# Altium PCB ActuatorControl_Board_v30.PcbDoc (part 2 of 3)
Units mil, origin at the board's own origin, x right, y up, seen from the top; angles counter-clockwise.
Board outline 3947.73 x 3947.73 mil, 2 copper layers (Top Layer, Bottom Layer); 150 components, 98 nets, 452 pads, 1502 vias.
Unrouted connection lines stored in the file: 26.
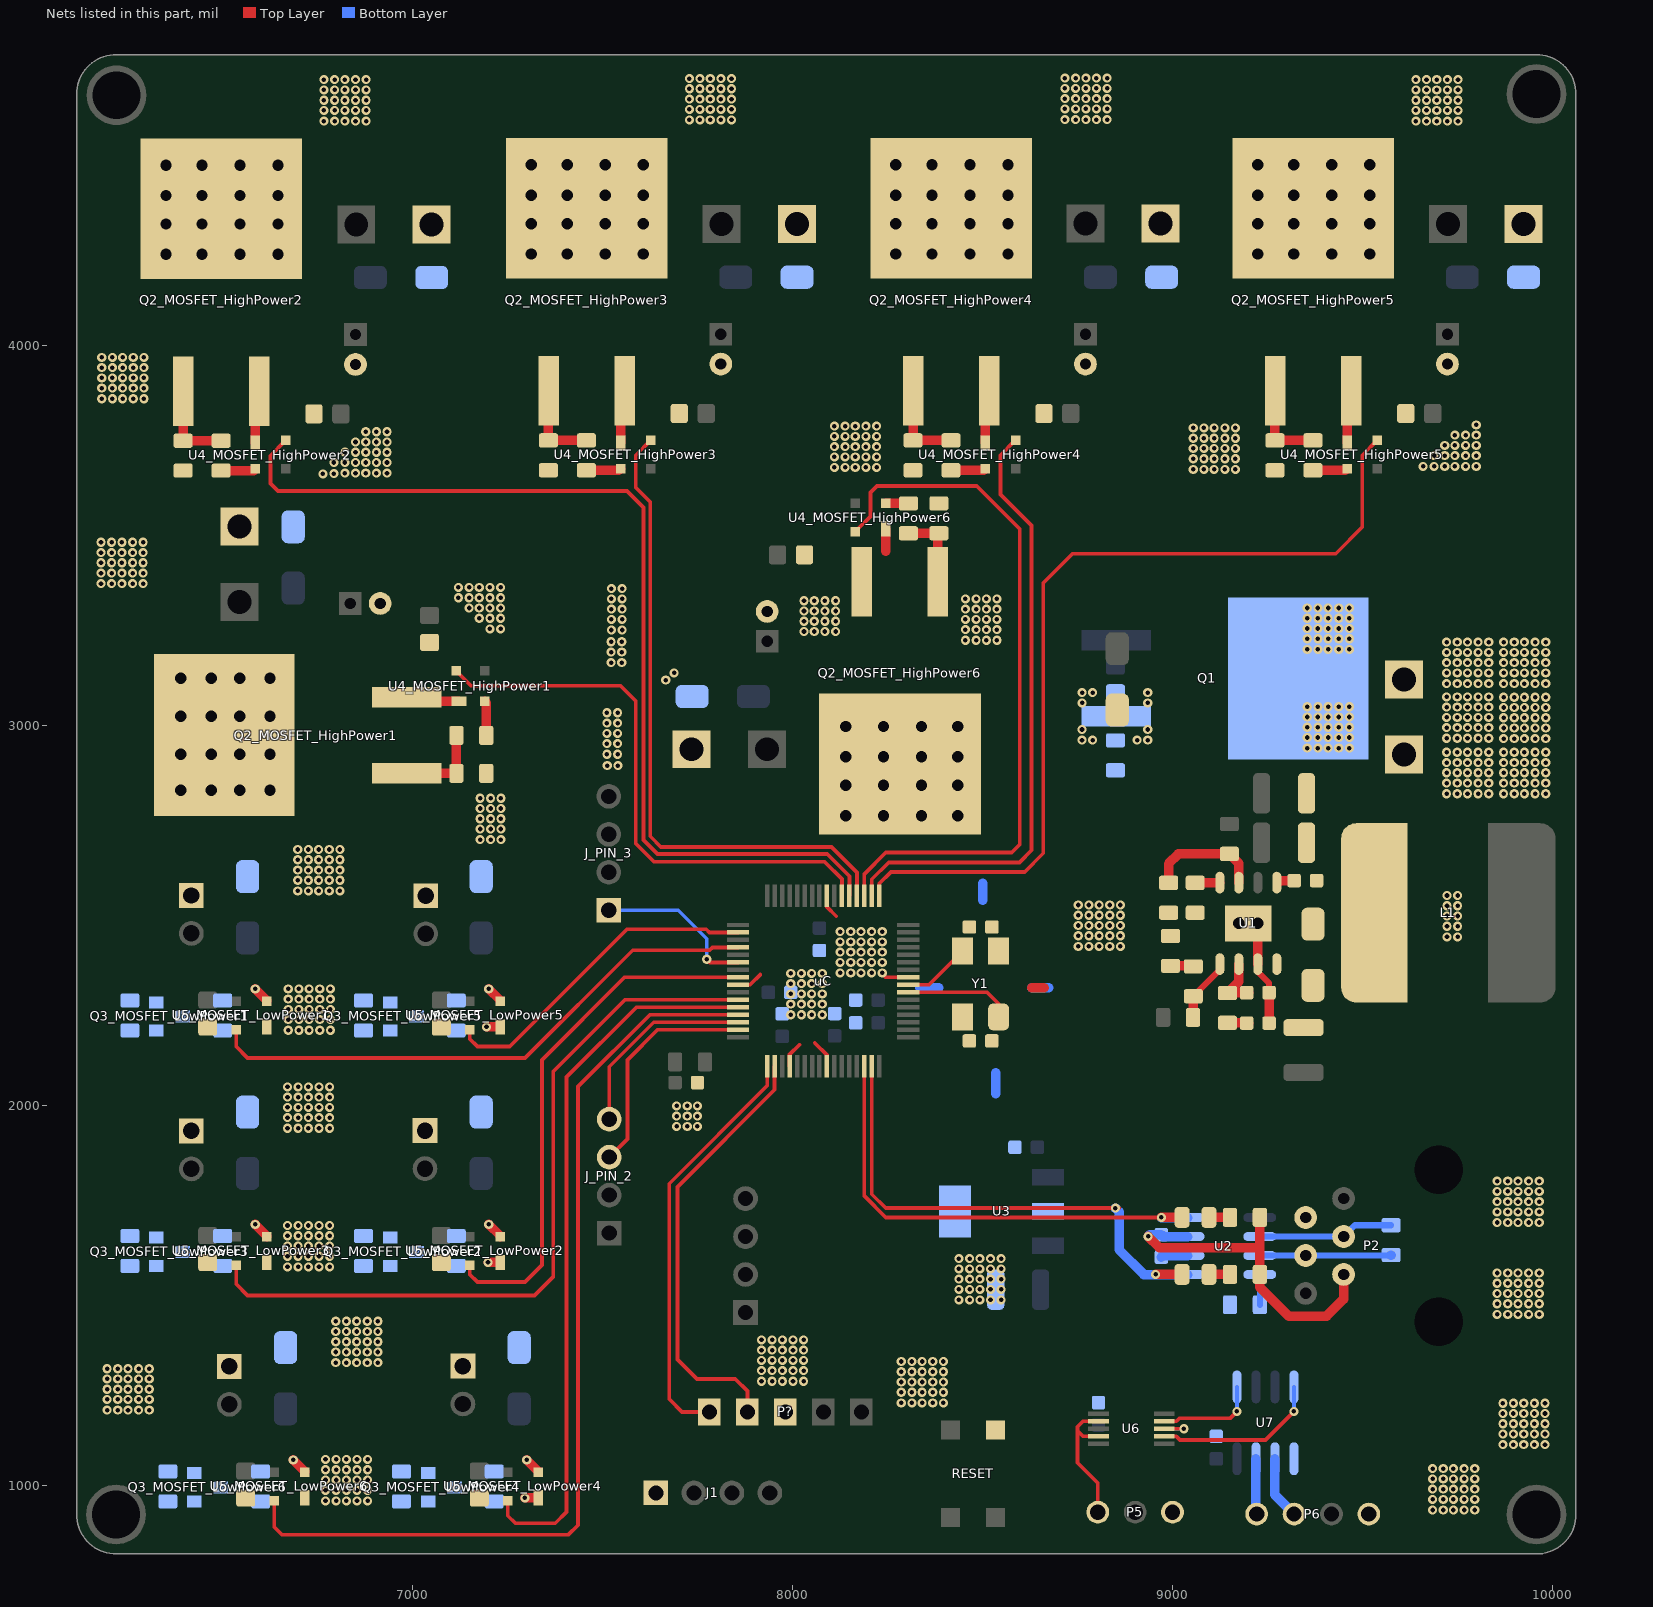
[diagram p2: the nets of this part, all layers, seen from the top]

## Part data
C1 C8 C9 C14 C15 C16 C19 C20 C21 C22 C23 C24: library part 06032105, "CAP CER 100n 10V X5R 10% 0603", Capacitance=100n
C2 C12_MOSFET_HighPower1 C12_MOSFET_HighPower2 C12_MOSFET_HighPower3 C12_MOSFET_HighPower4 C12_MOSFET_HighPower5 C12_MOSFET_HighPower6 C13_MOSFET_LowPower1 C13_MOSFET_LowPower2 C13_MOSFET_LowPower3 C13_MOSFET_LowPower4 C13_MOSFET_LowPower5 C13_MOSFET_LowPower6: library part 00002105, "CAP CER 100n 50V X7R 10% 0805", Capacitance=100nF
C3 C4: library part 00001225, "CAP CER 2.2u"
C5: library part 06032680, "CAP CER 68p 0603", Capacitance=68p
C6: library part 00002108, "CAP CER 100u X5R 6.3V 10% 1210", Capacitance=100uF
C7: library part 06032153, "CAP CER 15n 0603", Capacitance=15n
C10: library part 00001106, "CAP TANT 10u"
C11_MOSFET_HighPower1 C11_MOSFET_HighPower2 C11_MOSFET_HighPower3 C11_MOSFET_HighPower4 C11_MOSFET_HighPower5 C11_MOSFET_HighPower6: library part 00004704, "CAP ALU 4.7u 25V 20%", Capacitance=100uF
C17 C18: library part 00002200, "CAP CER 20p 0805", Capacitance=20pF
D1: "DIODE SCHOTTKY 60V 3A DO214AC", Current  Average Rectified=3A, Manufacturer="Vishay Semiconductor Diodes Division", Package Case="DO-214AC, SMA", Recommended Rating=Silver, Voltage  DC Reverse=60V, Voltage  Forward="550mV @ 3A", Assembly=SMD, Barcode=0100000007488, Category="Discrete Semiconductor Products", Datasheet URL=http://www.vishay.com/docs/88896/b330la.pdf, Diode Type=Schottky, Family=DIODE, id=62, item_id=1025, Manufacturer Part Number=B360B, Part Type="Discrete Semiconductors", Speed="Fast Recovery =< 500ns, > 200mA (Io)"
D3: library part ZENER, "DIODE ZENER", Current  Average Rectified=3A, Manufacturer="Vishay Semiconductor Diodes Division", Manufacturer Part Number=B360B, Package Case="DO-214AC, SMA", Recommended Rating=Silver, Voltage  DC Reverse=60V, Voltage  Forward="550mV @ 3A", Assembly=SMD, Barcode=0100000007488, Category="Discrete Semiconductor Products", Datasheet URL=http://www.vishay.com/docs/88896/b330la.pdf, Diode Type=Schottky, Family=DIODE, id=62, item_id=1025, Part Type="Discrete Semiconductors", Refferent Voltage=12V, Speed="Fast Recovery =< 500ns, > 200mA (Io)"
D4_MOSFET_HighPower1 D4_MOSFET_HighPower2 D4_MOSFET_HighPower3 D4_MOSFET_HighPower4 D4_MOSFET_HighPower5 D4_MOSFET_HighPower6 D5_MOSFET_LowPower1 D5_MOSFET_LowPower2 D5_MOSFET_LowPower3 D5_MOSFET_LowPower4 D5_MOSFET_LowPower5 D5_MOSFET_LowPower6: "DIODE SCHOTTKY 40V 3A DO214AC", Current  Average Rectified=3A, Manufacturer="Vishay Semiconductor Diodes Division", Package Case="DO-214AC, SMA", Recommended Rating=Silver, Voltage  DC Reverse=40V, Voltage  Forward="550mV @ 3A", Assembly=SMD, Barcode=0100000007488, Category="Discrete Semiconductor Products", Datasheet URL=http://www.vishay.com/docs/88896/b330la.pdf, Diode Type=Schottky, Family=DIODE, id=62, item_id=1025, Manufacturer Part Number=SK34, Part Type="Discrete Semiconductors", Speed="Fast Recovery =< 500ns, > 200mA (Io)"
J2_MOSFET_LowPower1 J2_MOSFET_LowPower2 J2_MOSFET_LowPower3 J2_MOSFET_LowPower4 J2_MOSFET_LowPower5 J2_MOSFET_LowPower6: library part "TE 282834-2", "Wire-To-Board Terminal Block, 2, 150 V, 10 A, 30 Awg, 16 Awg, 1.4 Mm", Package=None, Centerline_Pitch="2.54 mm[.1 in]", Digi-Key_Part_Number=A98333-ND, Digi-Key_Purchase_URL=https://www.digikey.rs/product-detail/en/te-connectivity-amp-connectors/282834-2/A98333-ND/1150135?utm_source=snapeda&utm_medium=aggregator&utm_campaign=symbol, EU_RoHS_Compliance="Compliant with Exemptions", MF="TE Connectivity", MP=282834-2, Number_of_Positions=2, SnapEDA_Link=https://www.snapeda.com/parts/282834-2/TE%20Connectivity%20AMP%20Connectors/view-part/431057/?ref=snap, TE_purchase_URL=https://www.te.com/usa-en/product-282834-2.html?te_bu=Cor&te_type=disp&te_campaign=seda_glo_cor-seda-global-disp-prtnr-fy19-seda-model-bom-cta_sma-317_1&elqCampaignId=32493
L1: library part Inductor_10uH, "FIXED IND 10uH 5.3A", Current Rating=5.3A, DC Resistance=62.7mOhm, Manufacturer=Coilcraft, Manufacturer Part Number=XAL7030-103MEB, Package Case=8x8mm, Tolerance=20%, Assembly=SMD, Barcode=2911010049126, Category="Inductors, Coils, Chokes", Datasheet URL=http://www.mouser.com/ds/2/597/xal7030-270749.pdf, Family=INDUCTOR, id=7, Inductance=10uH, item_id=5593, Part Type="Inductor, Transf, Filter, Ferrite"
P1: library part 00000002, "TERM BLOCK HDR 2POS 90DEG 5.08MM", Manufacturer Part Number=2EDGRC-5.08-02P-14-00A(H), Price=0.1304, Suplier=TME, Suplier Product Link=https://www.tme.eu/en/details/2edgrc5.08-2p14/pluggable-terminal-blocks/degson-electronics/2edgrc-508-02p-14-00ah/
P2: library part 00000001, Manufacturer Part Number=RJ-11
P3_MOSFET_HighPower1 P3_MOSFET_HighPower2 P3_MOSFET_HighPower3 P3_MOSFET_HighPower4 P3_MOSFET_HighPower5 P3_MOSFET_HighPower6: library part MOT_CONN, "CONNECTOR FOR MOTOR OUTPUT"
P5: library part AX12_CONECTOR, "KonServoiAX12", Manufacturer=Molex, Manufacturer Part Number 1=22035045, Order Code 1=1104204, Price 1=£0.104, Supplier 1=uk.farnell.com
P6: library part RX24_CONECTOR, "Molex Spox 5264", Manufacturer=Molex, Manufacturer Part Number 1=22035045, Order Code 1=1104204, Price 1=£0.104, Supplier 1=uk.farnell.com
P?: library part "TE CONNECTIVITY_5PIN_MALE", "BLUE_5PIN_CONECTOR", Manufacturer="TE CONNECTIVITY / AMP", Manufacturer Part Number 1=281695-3, Order Code 1=1205983, Price 1=£0.403, Supplier 1=uk.farnell.com
Q1: library part IRF9540N, "P-MOS", Manufacturer="INTERNATIONAL RECTIFIER", Package="TO-263 SMD", Manufacturer Part Number=IRF9540NSPBF, Order Code=IRF9540NS, Price="DIN 62.54", Supplier=Comet.rs
Q2_MOSFET_HighPower1 Q2_MOSFET_HighPower2 Q2_MOSFET_HighPower3 Q2_MOSFET_HighPower4 Q2_MOSFET_HighPower5 Q2_MOSFET_HighPower6: library part IRF540N, "N-MOS", Manufacturer="INTERNATIONAL RECTIFIER", Package="TO-263 SMD", Manufacturer Part Number=IRF540NSPBF, Order Code=IRF540NS, Price="DIN 62.54", Supplier=Comet.rs
Q3_MOSFET_LowPower1 Q3_MOSFET_LowPower2 Q3_MOSFET_LowPower3 Q3_MOSFET_LowPower4 Q3_MOSFET_LowPower5 Q3_MOSFET_LowPower6: library part IRLML0030, "N-MOS", Manufacturer=INFINEON, Package=SOT-23, Manufacturer Part Number=IRLML0030TRPBF, Order Code=IRLML0030, Price=0.11, Supplier=Comet.rs
R1: library part 00003303, "RES SMD 330 kOhm 1/8W 0805", Power="0.125W, 1/8W", Assembly=SMD, Barcode=00003303, Resistance=330k
R2: library part 00005102, "RES SMD 51 kOhm 1/8W 0805", Power="0.125W, 1/8W", Assembly=SMD, Barcode=00005102, Resistance=51k
R3: library part 00005602, "RES SMD 56 kOhm 1/8W 0805", Power="0.125W, 1/8W", Assembly=SMD, Barcode=00004701, Resistance=56k
R4: library part 00001603, "RES SMD 160 kOhm 1/8W 0805", Power="0.125W, 1/8W", Assembly=SMD, Barcode=00001603, Resistance=160k
R5: library part 00001502, "RES SMD 15 kOhm 1/8W 0805", Power="0.125W, 1/8W", Assembly=SMD, Barcode=00001502, Resistance=15k
R6: library part 00009101, "RES SMD 9.1 kOhm 1/8W 0805", Power="0.125W, 1/8W", Assembly=SMD, Barcode=00009101, Resistance=9.1k
R7: library part 00002701, "RES SMD 2.7 kOhm 1/8W 0805", Power="0.125W, 1/8W", Assembly=SMD, Barcode=00004701, Resistance=2.7k
R8: library part 00006200, "RES SMD 620 Ohm 1/8W 0805", Power="0.125W, 1/8W", Assembly=SMD, Barcode=00006200, Resistance=620R
R9 R10: library part 00001001, "RES SMD 1 kOhm 1/8W 0805", Power="0.125W, 1/8W", Assembly=SMD, Barcode=00009101, Resistance=1k
R11: library part 000001200, "RES SMD 120 Ohm 1/8W 0805", Resistance=120R
R12 R16: library part 000001002, "RES SMD 10 kOhm 1/8W 0805", Resistance=10k
R13_MOSFET_HighPower1 R13_MOSFET_HighPower2 R13_MOSFET_HighPower3 R13_MOSFET_HighPower4 R13_MOSFET_HighPower5 R13_MOSFET_HighPower6 R15_MOSFET_LowPower1 R15_MOSFET_LowPower2 R15_MOSFET_LowPower3 R15_MOSFET_LowPower4 R15_MOSFET_LowPower5 R15_MOSFET_LowPower6: library part 00001000, "RES SMD 100 Ohm 1/8W 0805", Power="0.125W, 1/8W", Assembly=SMD, Barcode=00001000, Resistance=100R
R14_MOSFET_HighPower1 R14_MOSFET_HighPower2 R14_MOSFET_HighPower3 R14_MOSFET_HighPower4 R14_MOSFET_HighPower5 R14_MOSFET_HighPower6 R17_MOSFET_LowPower1 R17_MOSFET_LowPower2 R17_MOSFET_LowPower3 R17_MOSFET_LowPower4 R17_MOSFET_LowPower5 R17_MOSFET_LowPower6: library part 00004701, "RES SMD 4.7 kOhm 1/8W 0805", Power="0.125W, 1/8W", Assembly=SMD, Barcode=00004701, Resistance=4.7k
RXCAN1 TXCAN1: library part "LED_GREEN 0805", "LED GREEN CLEAR 0805 SMD", Color=Green, Lens Color=Colorless, Manufacturer=Kingbright, Manufacturer Part Number=APT2012SGC, Package Case="0805 (2012 Metric)", Recommended Rating=Platinum, Voltage Forward=2.2V, Assembly=SMD, Barcode=2911010024338, Category=Optoelectronics, Datasheet URL=http://www.kingbrightusa.com/images/catalog/SPEC/APT2012SGC.pdf, Family=LED, id=28, item_id=3342, Lens Transparency=Clear, Part Type=Optoelectronics, Wavelength=568nm
U1: "IC REG BUCK ADJ 3.5A 8SOPWRPAD", Assembly=SMD, Manufacturer Part Number=TPS54340
U2: library part SN65HVD230, "IC EMC CAN TRANSCEIVER 8-SOIC", Package=SOIC-8, Assembly=SMD, Barcode=00000001, Category="Integrated Circuits (ICs)", Comet Product Page=http://store.comet.rs/Catalogue/Product/9057/, Datasheet Link=http://www.ti.com/lit/ds/symlink/sn65hvd232.pdf, Family=Comunication, Manufacturer Part Number=SN65HVD230DR
U3: library part 00000007, "IC REG LINEAR 5V 400MA SOT223-4", Datasheet Link=http://www.ti.com/lit/ds/symlink/lm2937.pdf, Manufacturer Part Number=LM2937-5
U4_MOSFET_HighPower1 U4_MOSFET_HighPower2 U4_MOSFET_HighPower3 U4_MOSFET_HighPower4 U4_MOSFET_HighPower5 U4_MOSFET_HighPower6 U5_MOSFET_LowPower1 U5_MOSFET_LowPower2 U5_MOSFET_LowPower3 U5_MOSFET_LowPower4 U5_MOSFET_LowPower5 U5_MOSFET_LowPower6: library part MIC4416, "IC DRIVER MOSF LOW SIDE SOT143-4", Package=SOT-143, Assembly=SMD, Category="Integrated Circuits (ICs)", Datasheet Link=http://ww1.microchip.com/downloads/en/DeviceDoc/mic4416.pdf, Family="MOSFET Driver", Manufacturer Part Number=MIC4416YM4-TR, Product Page Farnell=http://uk.farnell.com/microchip/mic4416ym4-tr/driver-mosfet-low-side-smd-4416/dp/2510112
U6: library part 00000008_1, "IC SWITCH DUAL SPDT 10MSOP", Manufacturer Part Number=TS5A23159
U7: library part 00000008, "IC TXRX RS485/RS422 8-SOIC", Manufacturer Part Number=MAX485
uC: library part PIC32MK1024MCF064, "IC MCU 32BIT 1MB FLASH 64TQFP", Manufacturer Part Number=PIC32MK1024MCF064
Y1: library part QUARTZ_8MHz, "CRYSTAL 8.0000MHZ 18PF SMD", Equivalent Series Resistance="72 Ohm", Frequency Stability=±30ppm, Load Capacitance=18pF, Manufacturer=ABRACON, Manufacturer Part Number=ABMM2-8.000MHZ-E2-T, Package Case="4-SMD, No Lead (DFN, LCC)", Assembly=SMD, Category="Crystals and Oscillators", Datasheet URL=http://www.abracon.com/Resonators/ABMM2.pdf, Family=CRYSTAL, Frequency=8Hz, Frequency Tolerance=±30ppm, id=17, item_id=4360, Part Type="Crystals, Oscillators", Size Dimension="0.126\" L x 0.098\" W (3.20mm x 2.50mm)"

## Free pads (board coordinates)
  round 157.48 hole 125.98: ""(6218.68,922.93) ""(6220,4660) ""(9958.83,922.93) ""(9958.83,4663.09)

## Via types
v1: diameter 24, hole 12, Top Layer to Bottom Layer, tented both sides, 1324 vias
v2: diameter 55, hole 30, Top Layer to Bottom Layer, tented both sides, 176 vias
v3: diameter 50, hole 30, Top Layer to Bottom Layer, 2 vias

## Nets (pads, with @x,y where several pads share a name; then routed paths per layer and width w, separated by ;. In a path a pad name is that pad's centre, name@x,y a point inside that pad or via, vN(x,y) a via of type N, cw(c..) or ccw(c..) an arc to the next point about the centre after c; other vN are vias at no path point)
CAN-3V3: C8.2 P2.2 R9.2 R10.2 U2.3 | length 935.6
  Top Layer w25: v1(8935.86,1655.37) 8965.86,1625.37 9230.23,1625.37 ; R9.2@9230.23,1705.37 9230.23,1625.37 ; P2.2@9450.86,1555.17 9450.86,1490.37 9405.86,1445.37 9305.86,1445.37 9230.23,1521 R10.2@9230.23,1555.37 9230.23,1625.37
  Bottom Layer w25: v1(8935.86,1655.37) 8940.39,1659.9 C8.2@8970.86,1659.9 8975.76,1655 U2.3@9041.02,1655
CAN_RX: RXCAN1.1 U2.4 uC.30 | length 1271.3
  Top Layer w10: uC.30@8188.86,2103.23 8188.86,1761.51 8245,1705.37 v1(8970.86,1705.37)
  Top Layer w25: v1(8970.86,1705.37) RXCAN1.1@9025.43,1705.37
  Bottom Layer w25: v1@8971.23,1705 U2.4@9041.02,1705
CAN_TX: TXCAN1.1 U2.1 uC.31 | length 1395
  Top Layer w10: uC.31@8208.54,2103.23 8208.54,1766.46 8245,1730 v1@8860,1730
  Top Layer w25: v1(8955.86,1555.37) TXCAN1.1@9025.43,1555.37
  Bottom Layer w25: v1(8850,1730) 8860,1720 8860,1620 8925,1555 U2.1@9041.02,1555
CONTROL_HP1: U4_MOSFET_HighPower1.4 uC.54 | length 1506.8
  Top Layer w10: U4_MOSFET_HighPower1.4@7114,3144.57 7153.29,3105.28 7546.72,3105.28 7587,3065 7587,2690 7635,2642 8084,2642 8129.8,2596.2 uC.54@8129.8,2552.05
CONTROL_HP2: U4_MOSFET_HighPower2.4 uC.53 | length 2647.2
  Top Layer w10: U4_MOSFET_HighPower2.4@6665,3751 6625,3711 6625,3638 6645,3618 7564,3618 7607,3575 7607,2699 7644,2662 8091,2662 8149.49,2603.51 uC.53@8149.49,2552.05
CONTROL_HP3: U4_MOSFET_HighPower3.4 uC.52 | length 1720.7
  Top Layer w10: U4_MOSFET_HighPower3.4@7627,3752 7587,3712 7587,3627 7625,3589 7625,2709 7653,2681 8102,2681 8169.17,2613.83 uC.52@8169.17,2552.05
CONTROL_HP4: U4_MOSFET_HighPower4.4 uC.50 | length 1626.2
  Top Layer w10: uC.50@8208.54,2552.05 8208.54,2595.54 8253,2640 8597,2640 8629,2672 8629,3527 8547,3609 8547,3712 U4_MOSFET_HighPower4.4@8587,3752
CONTROL_HP5: U4_MOSFET_HighPower5.4 uC.49 | length 2355.5
  Top Layer w10: uC.49@8228.23,2552.05 8228.23,2584.23 8259,2615 8611,2615 8660,2664 8660,3376 8737,3453 9430,3453 9500,3523 9500,3712 U4_MOSFET_HighPower5.4@9540,3752
CONTROL_HP6: U4_MOSFET_HighPower6.4 uC.51 | length 1896.3
  Top Layer w10: U4_MOSFET_HighPower6.4@8165,3511 8205,3551 8205,3614 8222,3631 8485,3631 8598,3518 8598,2687 8577,2666 8245,2666 8188.86,2609.86 uC.51@8188.86,2552.05
CONTROL_LP1: U5_MOSFET_LowPower1.4 uC.4 | length 1498.7
  Top Layer w10: U5_MOSFET_LowPower1.4@6535,2199.5 6535,2155 6565,2125 7295,2125 7579,2409 7781.47,2409 7788.69,2416.22 uC.4@7856.18,2416.22
CONTROL_LP2: U5_MOSFET_LowPower2.4 uC.8 | length 1387.7
  Top Layer w10: U5_MOSFET_LowPower2.4@7150,1579.5 7150,1555 7170,1535 7295,1535 7340,1580 7340,2120 7557.48,2337.48 uC.8@7856.18,2337.48
CONTROL_LP3: U5_MOSFET_LowPower3.4 uC.11 | length 2021.9
  Top Layer w10: U5_MOSFET_LowPower3.4@6535,1579.5 6535,1530 6565,1500 7320,1500 7370,1550 7370,2090 7558.43,2278.43 uC.11@7856.18,2278.43
CONTROL_LP4: U5_MOSFET_LowPower4.4 uC.12 | length 1887.5
  Top Layer w10: U5_MOSFET_LowPower4.4@7250,959.5 7250,920 7270,900 7375,900 7405,930 7405,1850 7405,2075 7588.74,2258.74 uC.12@7856.18,2258.74
CONTROL_LP5: U5_MOSFET_LowPower5.4 uC.2 | length 870.4
  Top Layer w10: U5_MOSFET_LowPower5.4@7150,2199.5 7150,2175 7170,2155 7255,2155 7564,2464 7772.62,2464 7781.03,2455.59 uC.2@7856.18,2455.59
CONTROL_LP6: U5_MOSFET_LowPower6.4 uC.13 | length 2542.6
  Top Layer w10: U5_MOSFET_LowPower6.4@6635,959.5 6635,890 6655,870 7410,870 7435,895 7435,1945 7435,2050 7624.06,2239.06 uC.13@7856.18,2239.06
GND: C3.1 C4.1 C5.1 C6.1 C7.1 C8.1 C9.1 C10.2 C11_MOSFET_HighPower1.2 C11_MOSFET_HighPower2.2 C11_MOSFET_HighPower3.2 C11_MOSFET_HighPower4.2 C11_MOSFET_HighPower5.2 C11_MOSFET_HighPower6.2 C12_MOSFET_HighPower1.1 C12_MOSFET_HighPower2.1 C12_MOSFET_HighPower3.1 C12_MOSFET_HighPower4.1 C12_MOSFET_HighPower5.1 C12_MOSFET_HighPower6.1 C13_MOSFET_LowPower1.1 C13_MOSFET_LowPower2.1 C13_MOSFET_LowPower3.1 C13_MOSFET_LowPower4.1 C13_MOSFET_LowPower5.1 C13_MOSFET_LowPower6.1 C14.1 C15.1 C16.1 C17.1 C18.1 C19.1 C20.1 C21.1 C22.1 C23.1 C24.1 D1.2 J1.1 P1.1 P2.5 P5.1 P6.1 P?.3 Q2_MOSFET_HighPower1.3 Q2_MOSFET_HighPower2.3 Q2_MOSFET_HighPower3.3 Q2_MOSFET_HighPower4.3 Q2_MOSFET_HighPower5.3 Q2_MOSFET_HighPower6.3 Q3_MOSFET_LowPower1.2 Q3_MOSFET_LowPower2.2 Q3_MOSFET_LowPower3.2 Q3_MOSFET_LowPower4.2 Q3_MOSFET_LowPower5.2 Q3_MOSFET_LowPower6.2 R3.1 R4.1 R7.1 R8.1 R12.1 R14_MOSFET_HighPower1.1 R14_MOSFET_HighPower2.1 R14_MOSFET_HighPower3.1 R14_MOSFET_HighPower4.1 R14_MOSFET_HighPower5.1 R14_MOSFET_HighPower6.1 R17_MOSFET_LowPower1.1 R17_MOSFET_LowPower2.1 R17_MOSFET_LowPower3.1 R17_MOSFET_LowPower4.1 R17_MOSFET_LowPower5.1 R17_MOSFET_LowPower6.1 RESET.1 U1.7 U1.9 U2.2 U3.2 U3.4 U4_MOSFET_HighPower1.1 U4_MOSFET_HighPower2.1 U4_MOSFET_HighPower3.1 U4_MOSFET_HighPower4.1 U4_MOSFET_HighPower5.1 U4_MOSFET_HighPower6.1 U5_MOSFET_LowPower1.1 U5_MOSFET_LowPower2.1 U5_MOSFET_LowPower3.1 U5_MOSFET_LowPower4.1 U5_MOSFET_LowPower5.1 U5_MOSFET_LowPower6.1 U6.3 U7.5 uC.9 uC.20 uC.25 uC.41 uC.56 Y1.2 Y1.4 | length 1844.6
  Top Layer w10: uC.9@7856.18,2317.8 7887.8,2317.8 7915,2345 ; uC.20@7992.01,2103.23 7992.01,2134.06 8017.95,2160 ; 8058.23,2165 8090.43,2132.8 uC.25@8090.43,2103.23 ; uC.56@8090.43,2552.05 8090.43,2522.95 8115,2498.38 ; 8244.52,2337.48 uC.41@8305,2337.48 ; U6.3@8978.6,1148.83 v1(9030.06,1148.83)
  Top Layer w16: U1.7@9225,2372.43 9225,2352 9254.53,2322.47 C5.1@9254.53,2297
  Top Layer w25: U4_MOSFET_HighPower2.1@6585,3743.5 6585,3870.43 Q2_MOSFET_HighPower2.3@6595.71,3881.14 ; Q2_MOSFET_HighPower1.3@6983.86,3075.28 6994.57,3064.57 U4_MOSFET_HighPower1.1@7121.5,3064.57 ; v1(7194,2207) U5_MOSFET_LowPower5.1@7230,2207 ; v1(7198,1587) U5_MOSFET_LowPower2.1@7230,1587 ; v1(7295,967) U5_MOSFET_LowPower4.1@7330,967 ; U4_MOSFET_HighPower3.1@7547,3744.5 7547,3871.43 Q2_MOSFET_HighPower3.3@7557.71,3882.14 ; 8245,3460 U4_MOSFET_HighPower6.1@8245,3518.5 ; U4_MOSFET_HighPower4.1@8507,3744.5 8507,3871.43 Q2_MOSFET_HighPower4.3@8517.71,3882.14 ; 8630,2310 8663,2310 ; U1.7@9225,2372.43 9225,2432 ; C7.1@9254.53,2217 C5.1@9254.53,2297 ; C5.1@9259.53,2297 C5.1@9259.53,2302.08 ; U4_MOSFET_HighPower5.1@9460,3744.5 9460,3871.43 Q2_MOSFET_HighPower5.3@9470.71,3882.14
  Bottom Layer w10: 8978.6,1148.83 v1(9030.06,1148.83)
  Bottom Layer w25: 8335,2310 8385,2310 ; 8500,2540 8500,2585 ; 8534.35,2030.65 8534.35,2086.2 ; 8630,2310 8675,2310 ; C8.1@8970.86,1600.84 8975.02,1605 U2.2@9041.02,1605
  other v1: 9685,935 9713,935 9740,935 9768,935 9796,935 6770,959 6798,959 6825,959 6853,959 6881,959 9685,963 9713,963 9740,963 9768,963 9796,963 6770,987 6798,987 6825,987 6853,987 6881,987 9685,990 9713,990 9740,990 9768,990 9796,990 6770,1014 6798,1014 6825,1014 6853,1014 6881,1014 9685,1017 9713,1017 9740,1017 9768,1017 9796,1017 6770,1041 6798,1041 6825,1041 6853,1041 6881,1041 9685,1044 9713,1044 9740,1044 9768,1044 9796,1044 6770,1068 6798,1068 6825,1068 6853,1068 6881,1068 9870,1107 9898,1107 9925,1107 9953,1107 9981,1107 9870,1135 9898,1135 9925,1135 9953,1135 9981,1135 9870,1162 9898,1162 9925,1162 9953,1162 9981,1162 9870,1189 9898,1189 9925,1189 9953,1189 9981,1189 6195,1198 6223,1198 6250,1198 6278,1198 6306,1198 9870,1216 9898,1216 9925,1216 9953,1216 9981,1216 8286,1217 8314,1217 8341,1217 8369,1217 8397,1217 6195,1226 6223,1226 6250,1226 6278,1226 6306,1226 8286,1245 8314,1245 8341,1245 8369,1245 8397,1245 6195,1253 6223,1253 6250,1253 6278,1253 6306,1253 8286,1272 8314,1272 8341,1272 8369,1272 8397,1272 7918,1274 7946,1274 7973,1274 8001,1274 8029,1274 6195,1280 6223,1280 6250,1280 6278,1280 6306,1280 8286,1299 8314,1299 8341,1299 8369,1299 8397,1299 7918,1302 7946,1302 7973,1302 8001,1302 8029,1302 6195,1307 6223,1307 6250,1307 6278,1307 6306,1307 6797,1323 6825,1323 6852,1323 6880,1323 6908,1323 8286,1326 8314,1326 8341,1326 8369,1326 8397,1326 7918,1329 7946,1329 7973,1329 8001,1329 8029,1329 6797,1351 6825,1351 6852,1351 6880,1351 6908,1351 7918,1356 7946,1356 7973,1356 8001,1356 8029,1356 6797,1378 6825,1378 6852,1378 6880,1378 6908,1378 7918,1383 7946,1383 7973,1383 8001,1383 8029,1383 6797,1405 6825,1405 6852,1405 6880,1405 6908,1405 6797,1432 6825,1432 6852,1432 6880,1432 6908,1432 9855,1450 9883,1450 9910,1450 9938,1450 9966,1450 9855,1478 9883,1478 9910,1478 9938,1478 9966,1478 8438,1488 8466,1488 8493,1488 8521,1488 8549,1488 9855,1505 9883,1505 9910,1505 9938,1505 9966,1505 8438,1516 8466,1516 8493,1516 8521,1516 8549,1516 9855,1532 9883,1532 9910,1532 9938,1532 9966,1532 8438,1543 8466,1543 8493,1543 8521,1543 8549,1543 9855,1559 9883,1559 9910,1559 9938,1559 9966,1559 8438,1570 8466,1570 8493,1570 8521,1570 8549,1570 6670,1575 6698,1575 6725,1575 6753,1575 6781,1575 8438,1597 8466,1597 8493,1597 8521,1597 8549,1597 6670,1603 6698,1603 6725,1603 6753,1603 6781,1603 6670,1630 6698,1630 6725,1630 6753,1630 6781,1630 6670,1657 6698,1657 6725,1657 6753,1657 6781,1657 6670,1684 6698,1684 6725,1684 6753,1684 6781,1684 9855,1692 9883,1692 9910,1692 9938,1692 9966,1692 9855,1720 9883,1720 9910,1720 9938,1720 9966,1720 9855,1747 9883,1747 9910,1747 9938,1747 9966,1747 9855,1774 9883,1774 9910,1774 9938,1774 9966,1774 9855,1801 9883,1801 9910,1801 9938,1801 9966,1801 6670,1940 6698,1940 6725,1940 6753,1940 6781,1940 7694.44,1944.92 7722.44,1944.92 7749.44,1944.92 6670,1968 6698,1968 6725,1968 6753,1968 6781,1968 7694.44,1971.92 7722.44,1971.92 7749.44,1971.92 6670,1995 6698,1995 6725,1995 6753,1995 6781,1995 7694.44,1998.92 7722.44,1998.92 7749.44,1998.92 6670,2022 6698,2022 6725,2022 6753,2022 6781,2022 6670,2049 6698,2049 6725,2049 6753,2049 6781,2049 6672,2198 6700,2198 6727,2198 6755,2198 6783,2198 6672,2226 6700,2226 6727,2226 6755,2226 6783,2226 7995,2239 8023,2239 8050,2239 8078,2239 6672,2253 6700,2253 6727,2253 6755,2253 6783,2253 7995,2267 8023,2267 8050,2267 8078,2267 6672,2280 6700,2280 6727,2280 6755,2280 6783,2280 7995,2294 8023,2294 8050,2294 8078,2294 6672,2307 6700,2307 6727,2307 6755,2307 6783,2307 7995,2321 8023,2321 8050,2321 8078,2321 7995,2348 8023,2348 8050,2348 8078,2348 8125,2349 8153,2349 8180,2349 8208,2349 8236,2349 8125,2377 8153,2377 8180,2377 8208,2377 8236,2377 8125,2404 8153,2404 8180,2404 8208,2404 8236,2404 8752,2419 8780,2419 8807,2419 8835,2419 8863,2419 8125,2431 8153,2431 8180,2431 8208,2431 8236,2431 9723,2444 9751,2444 8752,2447 8780,2447 8807,2447 8835,2447 8863,2447 8125,2458 8153,2458 8180,2458 8208,2458 8236,2458 9723,2472 9751,2472 8752,2474 8780,2474 8807,2474 8835,2474 8863,2474 9723,2499 9751,2499 8752,2501 8780,2501 8807,2501 8835,2501 8863,2501 9723,2526 9751,2526 8752,2528 8780,2528 8807,2528 8835,2528 8863,2528 9723,2553 9751,2553 6697,2565 6725,2565 6752,2565 6780,2565 6808,2565 6697,2593 6725,2593 6752,2593 6780,2593 6808,2593 6697,2620 6725,2620 6752,2620 6780,2620 6808,2620 6697,2647 6725,2647 6752,2647 6780,2647 6808,2647 6697,2674 6725,2674 6752,2674 6780,2674 6808,2674 7177,2700 7205,2700 7232,2700 7177,2728 7205,2728 7232,2728 7177,2755 7205,2755 7232,2755 7177,2782 7205,2782 7232,2782 7177,2809 7205,2809 7232,2809 9722,2821 9750,2821 9777,2821 9805,2821 9833,2821 9872,2821 9900,2821 9927,2821 9955,2821 9983,2821 9722,2849 9750,2849 9777,2849 9805,2849 9833,2849 9872,2849 9900,2849 9927,2849 9955,2849 9983,2849 9722,2876 9750,2876 9777,2876 9805,2876 9833,2876 9872,2876 9900,2876 9927,2876 9955,2876 9983,2876 7512,2895 7540,2895 9722,2903 9750,2903 9777,2903 9805,2903 9833,2903 9872,2903 9900,2903 9927,2903 9955,2903 9983,2903 7511,2925 7539,2925 9722,2930 9750,2930 9777,2930 9805,2930 9833,2930 9872,2930 9900,2930 9927,2930 9955,2930 9983,2930 7511,2953 7539,2953 9872,2966 9900,2966 9927,2966 9955,2966 9983,2966 9722,2967 9750,2967 9777,2967 9805,2967 9833,2967 7511,2980 7539,2980 9872,2994 9900,2994 9927,2994 9955,2994 9983,2994 9722,2995 9750,2995 9777,2995 9805,2995 9833,2995 7511,3007 7539,3007 9872,3021 9900,3021 9927,3021 9955,3021 9983,3021 9722,3022 9750,3022 9777,3022 9805,3022 9833,3022 7511,3034 7539,3034 9872,3048 9900,3048 9927,3048 9955,3048 9983,3048 9722,3049 9750,3049 9777,3049 9805,3049 9833,3049 9872,3075 9900,3075 9927,3075 9955,3075 9983,3075 9722,3076 9750,3076 9777,3076 9805,3076 9833,3076 9722,3111 9750,3111 9777,3111 9805,3111 9833,3111 9872,3111 9900,3111 9927,3111 9955,3111 9983,3111 7666,3120 7688,3139 9722,3139 9750,3139 9777,3139 9805,3139 9833,3139 9872,3139 9900,3139 9927,3139 9955,3139 9983,3139 7522,3166 7550,3166 9722,3166 9750,3166 9777,3166 9805,3166 9833,3166 9872,3166 9900,3166 9927,3166 9955,3166 9983,3166 9722,3193 9750,3193 9777,3193 9805,3193 9833,3193 9872,3193 9900,3193 9927,3193 9955,3193 9983,3193 7522,3194 7550,3194 9722,3220 9750,3220 9777,3220 9805,3220 9833,3220 9872,3220 9900,3220 9927,3220 9955,3220 9983,3220 7522,3221 7550,3221 8455,3225 8483,3225 8510,3225 8538,3225 8030,3248 8057,3248 8085,3248 8113,3248 7523,3252 7551,3252 8455,3253 8483,3253 8510,3253 8538,3253 7203,3255 7231,3255 8030,3275 8057,3275 8085,3275 8113,3275 7523,3280 7551,3280 8455,3280 8483,3280 8510,3280 8538,3280 7175,3283 7203,3283 7231,3283 8030,3302 8057,3302 8085,3302 8113,3302 7523,3307 7551,3307 8455,3307 8483,3307 8510,3307 8538,3307 7148,3310 7175,3310 7203,3310 7231,3310 8030,3329 8057,3329 8085,3329 8113,3329 7523,3334 7551,3334 8455,3334 8483,3334 8510,3334 8538,3334 7120,3337 7148,3337 7175,3337 7203,3337 7231,3337 7523,3361 7551,3361 7120,3364 7148,3364 7175,3364 7203,3364 7231,3364 6179,3374 6207,3374 6234,3374 6262,3374 6290,3374 6179,3402 6207,3402 6234,3402 6262,3402 6290,3402 6179,3429 6207,3429 6234,3429 6262,3429 6290,3429 6179,3456 6207,3456 6234,3456 6262,3456 6290,3456 6179,3483 6207,3483 6234,3483 6262,3483 6290,3483 6763,3663 6792,3664 6821,3665 6849,3665 6876,3665 6904,3665 6932,3665 9055,3675 9083,3675 9110,3675 9138,3675 9166,3675 8110,3680 8138,3680 8165,3680 8193,3680 8221,3680 9660,3683 9689,3683 9717,3683 9744,3683 9772,3683 9800,3683 6792,3693 6821,3693 6849,3693 6876,3693 6904,3693 6932,3693 9055,3703 9083,3703 9110,3703 9138,3703 9166,3703 8110,3708 8138,3708 8165,3708 8193,3708 8221,3708 9689,3711 9717,3711 9744,3711 9772,3711 9800,3711 6821,3720 6849,3720 6876,3720 6904,3720 6932,3720 9055,3730 9083,3730 9110,3730 9138,3730 9166,3730 8110,3735 8138,3735 8165,3735 8193,3735 8221,3735 9717,3738 9744,3738 9772,3738 9800,3738 6849,3747 6876,3747 6904,3747 6932,3747 9055,3757 9083,3757 9110,3757 9138,3757 9166,3757 8110,3762 8138,3762 8165,3762 8193,3762 8221,3762 9744,3765 9772,3765 9800,3765 6876,3774 6904,3774 6932,3774 9055,3784 9083,3784 9110,3784 9138,3784 9166,3784 8110,3789 8138,3789 8165,3789 8193,3789 8221,3789 9800,3792 6181,3861 6209,3861 6236,3861 6264,3861 6292,3861 6181,3889 6209,3889 6236,3889 6264,3889 6292,3889 6181,3916 6209,3916 6236,3916 6264,3916 6292,3916 6181,3943 6209,3943 6236,3943 6264,3943 6292,3943 6181,3970 6209,3970 6236,3970 6264,3970 6292,3970 6766,4592 6794,4592 6821,4592 6849,4592 6877,4592 9641,4592 9669,4592 9696,4592 9724,4592 9752,4592 7728,4595 7756,4595 7783,4595 7811,4595 7839,4595 8717,4596 8745,4596 8772,4596 8800,4596 8828,4596 6766,4620 6794,4620 6821,4620 6849,4620 6877,4620 9641,4620 9669,4620 9696,4620 9724,4620 9752,4620 7728,4623 7756,4623 7783,4623 7811,4623 7839,4623 8717,4624 8745,4624 8772,4624 8800,4624 8828,4624 6766,4647 6794,4647 6821,4647 6849,4647 6877,4647 9641,4647 9669,4647 9696,4647 9724,4647 9752,4647 7728,4650 7756,4650 7783,4650 7811,4650 7839,4650 8717,4651 8745,4651 8772,4651 8800,4651 8828,4651 6766,4674 6794,4674 6821,4674 6849,4674 6877,4674 9641,4674 9669,4674 9696,4674 9724,4674 9752,4674 7728,4677 7756,4677 7783,4677 7811,4677 7839,4677 8717,4678 8745,4678 8772,4678 8800,4678 8828,4678 6766,4701 6794,4701 6821,4701 6849,4701 6877,4701 9641,4701 9669,4701 9696,4701 9724,4701 9752,4701 7728,4704 7756,4704 7783,4704 7811,4704 7839,4704 8717,4705 8745,4705 8772,4705 8800,4705 8828,4705
  other v3: 9175,2479.72 9225,2479.72
NetC1_1: C1.1 U1.1 | length 45
  Top Layer w25: U1.1@9277.5,2587 9282.5,2592 C1.1@9320.47,2592
NetC1_2: C1.2 D1.1 L1.1 U1.8
NetC2_1: C2.1 D3.2 Q1.1 R7.2
  other v1: 8762,2962 8790,2962 8907,2962 8935,2962 8762,2990 8935,2990 8762.04,3060 8935,3060 8762.04,3087 8790.04,3087 8935,3087
NetC5_2: C5.2 R5.2 U1.6 | length 144.2
  Top Layer w25: U1.6@9175,2372.43 9175,2326.37 R5.2@9145,2296.37 9199.84,2296.37 C5.2@9200.47,2297
NetC7_2: C7.2 R5.1 | length 55.7
  Top Layer w25: R5.1@9145,2217.63 9199.84,2217.63 C7.2@9200.47,2217
NetD4_MOSFET_HighPower1_2: D4_MOSFET_HighPower1.2 P3_MOSFET_HighPower1.2 Q2_MOSFET_HighPower1.2
  other v2: 6389,2829.57 6389,2829.57 6469,2829.57 6469,2829.57 6544,2829.57 6544,2829.57 6624,2829.57 6624,2829.57 6389,2924.57 6389,2924.57 6469,2924.57 6544,2924.57 6544,2924.57 6624,2924.57 6624,2924.57 6389,3024.57 6389,3024.57 6469,3024.57 6469,3024.57 6544,3024.57 6624,3024.57 6624,3024.57 6389,3124.57 6389,3124.57 6469,3124.57 6469,3124.57 6544,3124.57 6624,3124.57 6624,3124.57
NetD4_MOSFET_HighPower2_2: D4_MOSFET_HighPower2.2 P3_MOSFET_HighPower2.2 Q2_MOSFET_HighPower2.2
  other v2: 6350,4241 6350,4241 6445,4241 6445,4241 6545,4241 6545,4241 6645,4241 6645,4241 6350,4321 6350,4321 6445,4321 6445,4321 6545,4321 6645,4321 6350,4396 6350,4396 6445,4396 6545,4396 6545,4396 6645,4396 6645,4396 6350,4476 6350,4476 6445,4476 6445,4476 6545,4476 6545,4476 6645,4476 6645,4476
NetD4_MOSFET_HighPower3_2: D4_MOSFET_HighPower3.2 P3_MOSFET_HighPower3.2 Q2_MOSFET_HighPower3.2
  other v2: 7312,4242 7312,4242 7407,4242 7407,4242 7507,4242 7507,4242 7607,4242 7607,4242 7312,4322 7312,4322 7407,4322 7407,4322 7507,4322 7607,4322 7312,4397 7312,4397 7407,4397 7507,4397 7507,4397 7607,4397 7607,4397 7312,4477 7312,4477 7407,4477 7407,4477 7507,4477 7507,4477 7607,4477 7607,4477
NetD4_MOSFET_HighPower4_2: D4_MOSFET_HighPower4.2 P3_MOSFET_HighPower4.2 Q2_MOSFET_HighPower4.2
  other v2: 8272,4242 8272,4242 8367,4242 8367,4242 8467,4242 8467,4242 8567,4242 8567,4242 8272,4322 8272,4322 8367,4322 8367,4322 8467,4322 8567,4322 8272,4397 8272,4397 8367,4397 8467,4397 8467,4397 8567,4397 8567,4397 8272,4477 8272,4477 8367,4477 8367,4477 8467,4477 8467,4477 8567,4477 8567,4477
NetD4_MOSFET_HighPower5_2: D4_MOSFET_HighPower5.2 P3_MOSFET_HighPower5.2 Q2_MOSFET_HighPower5.2
  other v2: 9225,4242 9225,4242 9320,4242 9320,4242 9420,4242 9420,4242 9520,4242 9520,4242 9225,4322 9225,4322 9320,4322 9320,4322 9420,4322 9520,4322 9225,4397 9225,4397 9320,4397 9420,4397 9420,4397 9520,4397 9520,4397 9225,4477 9225,4477 9320,4477 9320,4477 9420,4477 9420,4477 9520,4477 9520,4477
NetD4_MOSFET_HighPower6_2: D4_MOSFET_HighPower6.2 P3_MOSFET_HighPower6.2 Q2_MOSFET_HighPower6.2
  other v2: 8139.43,2763 8139.43,2763 8239.43,2763 8239.43,2763 8339.43,2763 8339.43,2763 8434.43,2763 8434.43,2763 8139.43,2843 8139.43,2843 8239.43,2843 8239.43,2843 8339.43,2843 8434.43,2843 8434.43,2843 8139.43,2918 8239.43,2918 8339.43,2918 8339.43,2918 8434.43,2918 8434.43,2918 8139.43,2998 8139.43,2998 8239.43,2998 8239.43,2998 8339.43,2998 8339.43,2998 8434.43,2998 8434.43,2998
NetD5_MOSFET_LowPower1_2: D5_MOSFET_LowPower1.2 J2_MOSFET_LowPower1.1 Q3_MOSFET_LowPower1.3
NetD5_MOSFET_LowPower2_2: D5_MOSFET_LowPower2.2 J2_MOSFET_LowPower2.1 Q3_MOSFET_LowPower2.3
NetD5_MOSFET_LowPower3_2: D5_MOSFET_LowPower3.2 J2_MOSFET_LowPower3.1 Q3_MOSFET_LowPower3.3
NetD5_MOSFET_LowPower4_2: D5_MOSFET_LowPower4.2 J2_MOSFET_LowPower4.1 Q3_MOSFET_LowPower4.3
NetD5_MOSFET_LowPower5_2: D5_MOSFET_LowPower5.2 J2_MOSFET_LowPower5.1 Q3_MOSFET_LowPower5.3
NetD5_MOSFET_LowPower6_2: D5_MOSFET_LowPower6.2 J2_MOSFET_LowPower6.1 Q3_MOSFET_LowPower6.3
NetP1_2: P1.2 Q1.2
  other v1: 9355,2941 9383,2941 9410,2941 9438,2941 9466,2941 9355,2969 9383,2969 9410,2969 9438,2969 9466,2969 9355,2996 9383,2996 9410,2996 9438,2996 9466,2996 9355,3023 9383,3023 9410,3023 9438,3023 9466,3023 9355,3050 9383,3050 9410,3050 9438,3050 9466,3050 9355,3201 9383,3201 9410,3201 9438,3201 9466,3201 9355,3229 9383,3229 9410,3229 9438,3229 9466,3229 9355,3256 9383,3256 9410,3256 9438,3256 9466,3256 9355,3283 9383,3283 9410,3283 9438,3283 9466,3283 9355,3310 9383,3310 9410,3310 9438,3310 9466,3310
NetP2_3: P2.3 R11.1 U2.7 | length 346.3
  Bottom Layer w16: U2.7@9230,1605 P2.3@9350.69,1605 ; P2.3@9350.86,1605.17 R11.1@9575.03,1605.17
  Bottom Layer w25: P2.3@9350.69,1605 P2.3@9350.86,1605.17 ; R11.1@9575.03,1605.17 R11.1@9575.86,1606
NetP2_4: P2.4 R11.2 U2.6 | length 358.2
  Bottom Layer w16: U2.6@9230,1655 P2.4@9450.69,1655 ; P2.4@9450.86,1655.17 9480.43,1684.74 R11.2@9575.86,1684.74
  Bottom Layer w25: P2.4@9450.69,1655 P2.4@9450.86,1655.17
NetP5_3: P5.3 U6.7 U6.9 | length 368.9
  Top Layer w10: P5.3@8803.52,929.14 8803.52,1005.99 8750.37,1059.14 8750.37,1143.37 ; U6.9@8805.37,1129.14 8764.6,1129.14 8750.37,1143.37 ; U6.7@8805.37,1168.51 8764.6,1168.51 8750.37,1154.28 8750.37,1143.37
NetP6_3: P6.3 U7.6 | length 166.7
  Bottom Layer w25: U7.6@9270,1070 9270,974.51 P6.3@9320.37,924.14
NetP6_4: P6.4 U7.7 | length 146.7
  Bottom Layer w25: U7.7@9220,1070 9220,926.09 P6.4@9221.94,924.14
NetQ2_MOSFET_HighPower1_1: Q2_MOSFET_HighPower1.1 R13_MOSFET_HighPower1.2 R14_MOSFET_HighPower1.2 | length 230.8
  Top Layer w25: Q2_MOSFET_HighPower1.1@6983.86,2874.57 R14_MOSFET_HighPower1.2@7114.63,2874.57 R13_MOSFET_HighPower1.2@7114.63,2974.57
NetQ2_MOSFET_HighPower2_1: Q2_MOSFET_HighPower2.1 R13_MOSFET_HighPower2.2 R14_MOSFET_HighPower2.2 | length 230.8
  Top Layer w25: Q2_MOSFET_HighPower2.1@6395,3881.14 R14_MOSFET_HighPower2.2@6395,3750.37 R13_MOSFET_HighPower2.2@6495,3750.37
NetQ2_MOSFET_HighPower3_1: Q2_MOSFET_HighPower3.1 R13_MOSFET_HighPower3.2 R14_MOSFET_HighPower3.2 | length 230.8
  Top Layer w25: Q2_MOSFET_HighPower3.1@7357,3882.14 R14_MOSFET_HighPower3.2@7357,3751.37 R13_MOSFET_HighPower3.2@7457,3751.37
NetQ2_MOSFET_HighPower4_1: Q2_MOSFET_HighPower4.1 R13_MOSFET_HighPower4.2 R14_MOSFET_HighPower4.2 | length 230.8
  Top Layer w25: Q2_MOSFET_HighPower4.1@8317,3882.14 R14_MOSFET_HighPower4.2@8317,3751.37 R13_MOSFET_HighPower4.2@8417,3751.37
NetQ2_MOSFET_HighPower5_1: Q2_MOSFET_HighPower5.1 R13_MOSFET_HighPower5.2 R14_MOSFET_HighPower5.2 | length 230.8
  Top Layer w25: Q2_MOSFET_HighPower5.1@9270,3882.14 R14_MOSFET_HighPower5.2@9270,3751.37 R13_MOSFET_HighPower5.2@9370,3751.37
NetQ2_MOSFET_HighPower6_1: Q2_MOSFET_HighPower6.1 R13_MOSFET_HighPower6.2 R14_MOSFET_HighPower6.2 | length 208.6
  Top Layer w25: R13_MOSFET_HighPower6.2@8305,3506.63 R14_MOSFET_HighPower6.2@8385,3506.63 8382.5,3504.13 Q2_MOSFET_HighPower6.1@8382.5,3379.06
NetQ3_MOSFET_LowPower1_1: Q3_MOSFET_LowPower1.1 R15_MOSFET_LowPower1.2 R17_MOSFET_LowPower1.2
NetQ3_MOSFET_LowPower2_1: Q3_MOSFET_LowPower2.1 R15_MOSFET_LowPower2.2 R17_MOSFET_LowPower2.2
NetQ3_MOSFET_LowPower3_1: Q3_MOSFET_LowPower3.1 R15_MOSFET_LowPower3.2 R17_MOSFET_LowPower3.2
NetQ3_MOSFET_LowPower4_1: Q3_MOSFET_LowPower4.1 R15_MOSFET_LowPower4.2 R17_MOSFET_LowPower4.2
NetQ3_MOSFET_LowPower5_1: Q3_MOSFET_LowPower5.1 R15_MOSFET_LowPower5.2 R17_MOSFET_LowPower5.2
NetQ3_MOSFET_LowPower6_1: Q3_MOSFET_LowPower6.1 R15_MOSFET_LowPower6.2 R17_MOSFET_LowPower6.2
NetR1_1: R1.1 R3.2 U1.3 | length 307.2
  Top Layer w25: R3.2@8990,2586.37 8990,2637 9015.63,2662.63 R1.1@9150,2662.63 9175,2637.63 U1.3@9175,2587
NetR2_1: R2.1 R6.2 U1.5 | length 170.6
  Top Layer w16: R6.2@9055,2287.63 9125,2357.63 U1.5@9125,2372.43
  Top Layer w25: R2.1@9054.37,2227 R2.1@9055,2227.63 ; R2.1@9054.37,2232 9054.37,2287 R6.2@9055,2287.63
NetR4_2: R4.2 U1.4 | length 65.3
  Top Layer w25: R4.2@9060,2586.37 9060.63,2587 U1.4@9125,2587
NetR6_1: R6.1 R8.2 | length 62.3
  Top Layer w25: R8.2@8990,2367.63 R8.2@8991.26,2366.37 ; R8.2@8995,2367.63 9053.74,2367.63 R6.1@9055,2366.37
NetR9_1: R9.1 RXCAN1.2 | length 55.2
  Top Layer w25: RXCAN1.2@9096.29,1705.37 R9.1@9151.49,1705.37
NetR10_1: R10.1 TXCAN1.2 | length 55.2
  Top Layer w25: TXCAN1.2@9096.29,1555.37 R10.1@9151.49,1555.37
NetR12_2: R12.2 U2.8 | length 79.7
  Bottom Layer w16: R12.2@9230.23,1475.37 U2.8@9230.23,1554.77
  Bottom Layer w25: U2.8@9230,1555 U2.8@9230.23,1554.77
NetR13_MOSFET_HighPower1_1: R13_MOSFET_HighPower1.1 U4_MOSFET_HighPower1.2 | length 91.8
  Top Layer w25: U4_MOSFET_HighPower1.2@7189,3064.57 7193.37,3060.2 R13_MOSFET_HighPower1.1@7193.37,2974.57
NetR13_MOSFET_HighPower2_1: R13_MOSFET_HighPower2.1 U4_MOSFET_HighPower2.2 | length 91.8
  Top Layer w25: R13_MOSFET_HighPower2.1@6495,3671.63 6580.63,3671.63 U4_MOSFET_HighPower2.2@6585,3676
NetR13_MOSFET_HighPower3_1: R13_MOSFET_HighPower3.1 U4_MOSFET_HighPower3.2 | length 91.8
  Top Layer w25: R13_MOSFET_HighPower3.1@7457,3672.63 7542.63,3672.63 U4_MOSFET_HighPower3.2@7547,3677
NetR13_MOSFET_HighPower4_1: R13_MOSFET_HighPower4.1 U4_MOSFET_HighPower4.2 | length 91.8
  Top Layer w25: R13_MOSFET_HighPower4.1@8417,3672.63 8502.63,3672.63 U4_MOSFET_HighPower4.2@8507,3677
NetR13_MOSFET_HighPower5_1: R13_MOSFET_HighPower5.1 U4_MOSFET_HighPower5.2 | length 91.8
  Top Layer w25: R13_MOSFET_HighPower5.1@9370,3672.63 9455.63,3672.63 U4_MOSFET_HighPower5.2@9460,3677
NetR13_MOSFET_HighPower6_1: R13_MOSFET_HighPower6.1 U4_MOSFET_HighPower6.2 | length 60.3
  Top Layer w25: U4_MOSFET_HighPower6.2@8245,3586 8304.37,3586 R13_MOSFET_HighPower6.1@8305,3585.37
NetR15_MOSFET_LowPower1_1: R15_MOSFET_LowPower1.1 U5_MOSFET_LowPower1.2 | length 44.9
  Top Layer w25: v1(6585,2307) 6615,2277 U5_MOSFET_LowPower1.2@6615,2274.5
NetR15_MOSFET_LowPower2_1: R15_MOSFET_LowPower2.1 U5_MOSFET_LowPower2.2 | length 44.9
  Top Layer w25: v1(7200,1687) 7230,1657 U5_MOSFET_LowPower2.2@7230,1654.5
NetR15_MOSFET_LowPower3_1: R15_MOSFET_LowPower3.1 U5_MOSFET_LowPower3.2 | length 44.9
  Top Layer w25: v1(6585,1687) 6615,1657 U5_MOSFET_LowPower3.2@6615,1654.5
NetR15_MOSFET_LowPower4_1: R15_MOSFET_LowPower4.1 U5_MOSFET_LowPower4.2 | length 42.4
  Top Layer w25: v1(7300,1067) U5_MOSFET_LowPower4.2@7330,1037
NetR15_MOSFET_LowPower5_1: R15_MOSFET_LowPower5.1 U5_MOSFET_LowPower5.2 | length 44.9
  Top Layer w25: v1(7200,2307) 7230,2277 U5_MOSFET_LowPower5.2@7230,2274.5
NetR15_MOSFET_LowPower6_1: R15_MOSFET_LowPower6.1 U5_MOSFET_LowPower6.2 | length 44.9
  Top Layer w25: v1(6685,1067) 6715,1037 U5_MOSFET_LowPower6.2@6715,1034.5
NetU6_2: U6.2 U7.4 | length 440.5
  Top Layer w10: U6.2@8978.88,1128.86 9010.37,1128.86 9019.72,1119.51 9245,1119.51 v1(9320,1194.51)
  Bottom Layer w10: v1(9320,1194.51) U7.4@9320,1258.98
NetU6_4: U6.4 U7.1 | length 266.6
  Top Layer w10: U6.4@8978.6,1168.51 9010.37,1168.51 9018.15,1176.29 9151.78,1176.29 v1(9170,1194.51)
  Bottom Layer w10: v1(9170,1194.51) U7.1@9170,1258.98
OSC1: C17.2 uC.39 Y1.1 | length 284.2
  Top Layer w10: uC.39@8305,2298.11 8511.89,2298.11 8542.24,2267.76 Y1.1@8542.24,2233.39
OSC2: C18.2 uC.40 Y1.3 | length 179.5
  Top Layer w10: uC.40@8305,2317.8 8358.94,2317.8 Y1.3@8447.76,2406.61
PGEC: P?.5 uC.17 | length 1103.2
  Top Layer w10: P?.5@7781,1193 7709,1193 7675,1227 7675,1794 7932.95,2051.95 uC.17@7932.95,2103.23
PGED: P?.4 uC.18 | length 1151.5
  Top Layer w10: P?.4@7881,1193 7881,1248 7849,1280 7748,1280 7697,1331 7697,1785.72 7952.64,2041.36 uC.18@7952.64,2103.23
PIN_6: J_PIN_3.1 uC.6 | length 428.6
  Top Layer w10: v1(7774,2385) 7782.15,2376.85 uC.6@7856.18,2376.85
  Bottom Layer w10: J_PIN_3.1@7516,2514 7699,2514 7774,2439 v1(7774,2385)
PIN_14: J_PIN_2.4 uC.14 | length 527.2
  Top Layer w10: J_PIN_2.4@7517,1964 7517,2102 7634.37,2219.37 uC.14@7856.18,2219.37
  Bottom Layer w10: J_PIN_2.4@7517,1964 J_PIN_2.4@7518,1965
PIN_15: J_PIN_2.3 uC.15 | length 600.1
  Top Layer w10: J_PIN_2.3@7517,1864 7565,1912 7565,2120 7644.69,2199.69 uC.15@7856.18,2199.69